# Altium PCB LaserControlBoard (top).PcbDoc (part 4 of 4)
Units mm, origin at the board's own origin, x right, y up, seen from the top; angles counter-clockwise.
Board outline 192.5 x 156.5 mm, 2 copper layers (Top Layer, Bottom Layer); 325 components, 313 nets, 1128 pads, 1616 vias.
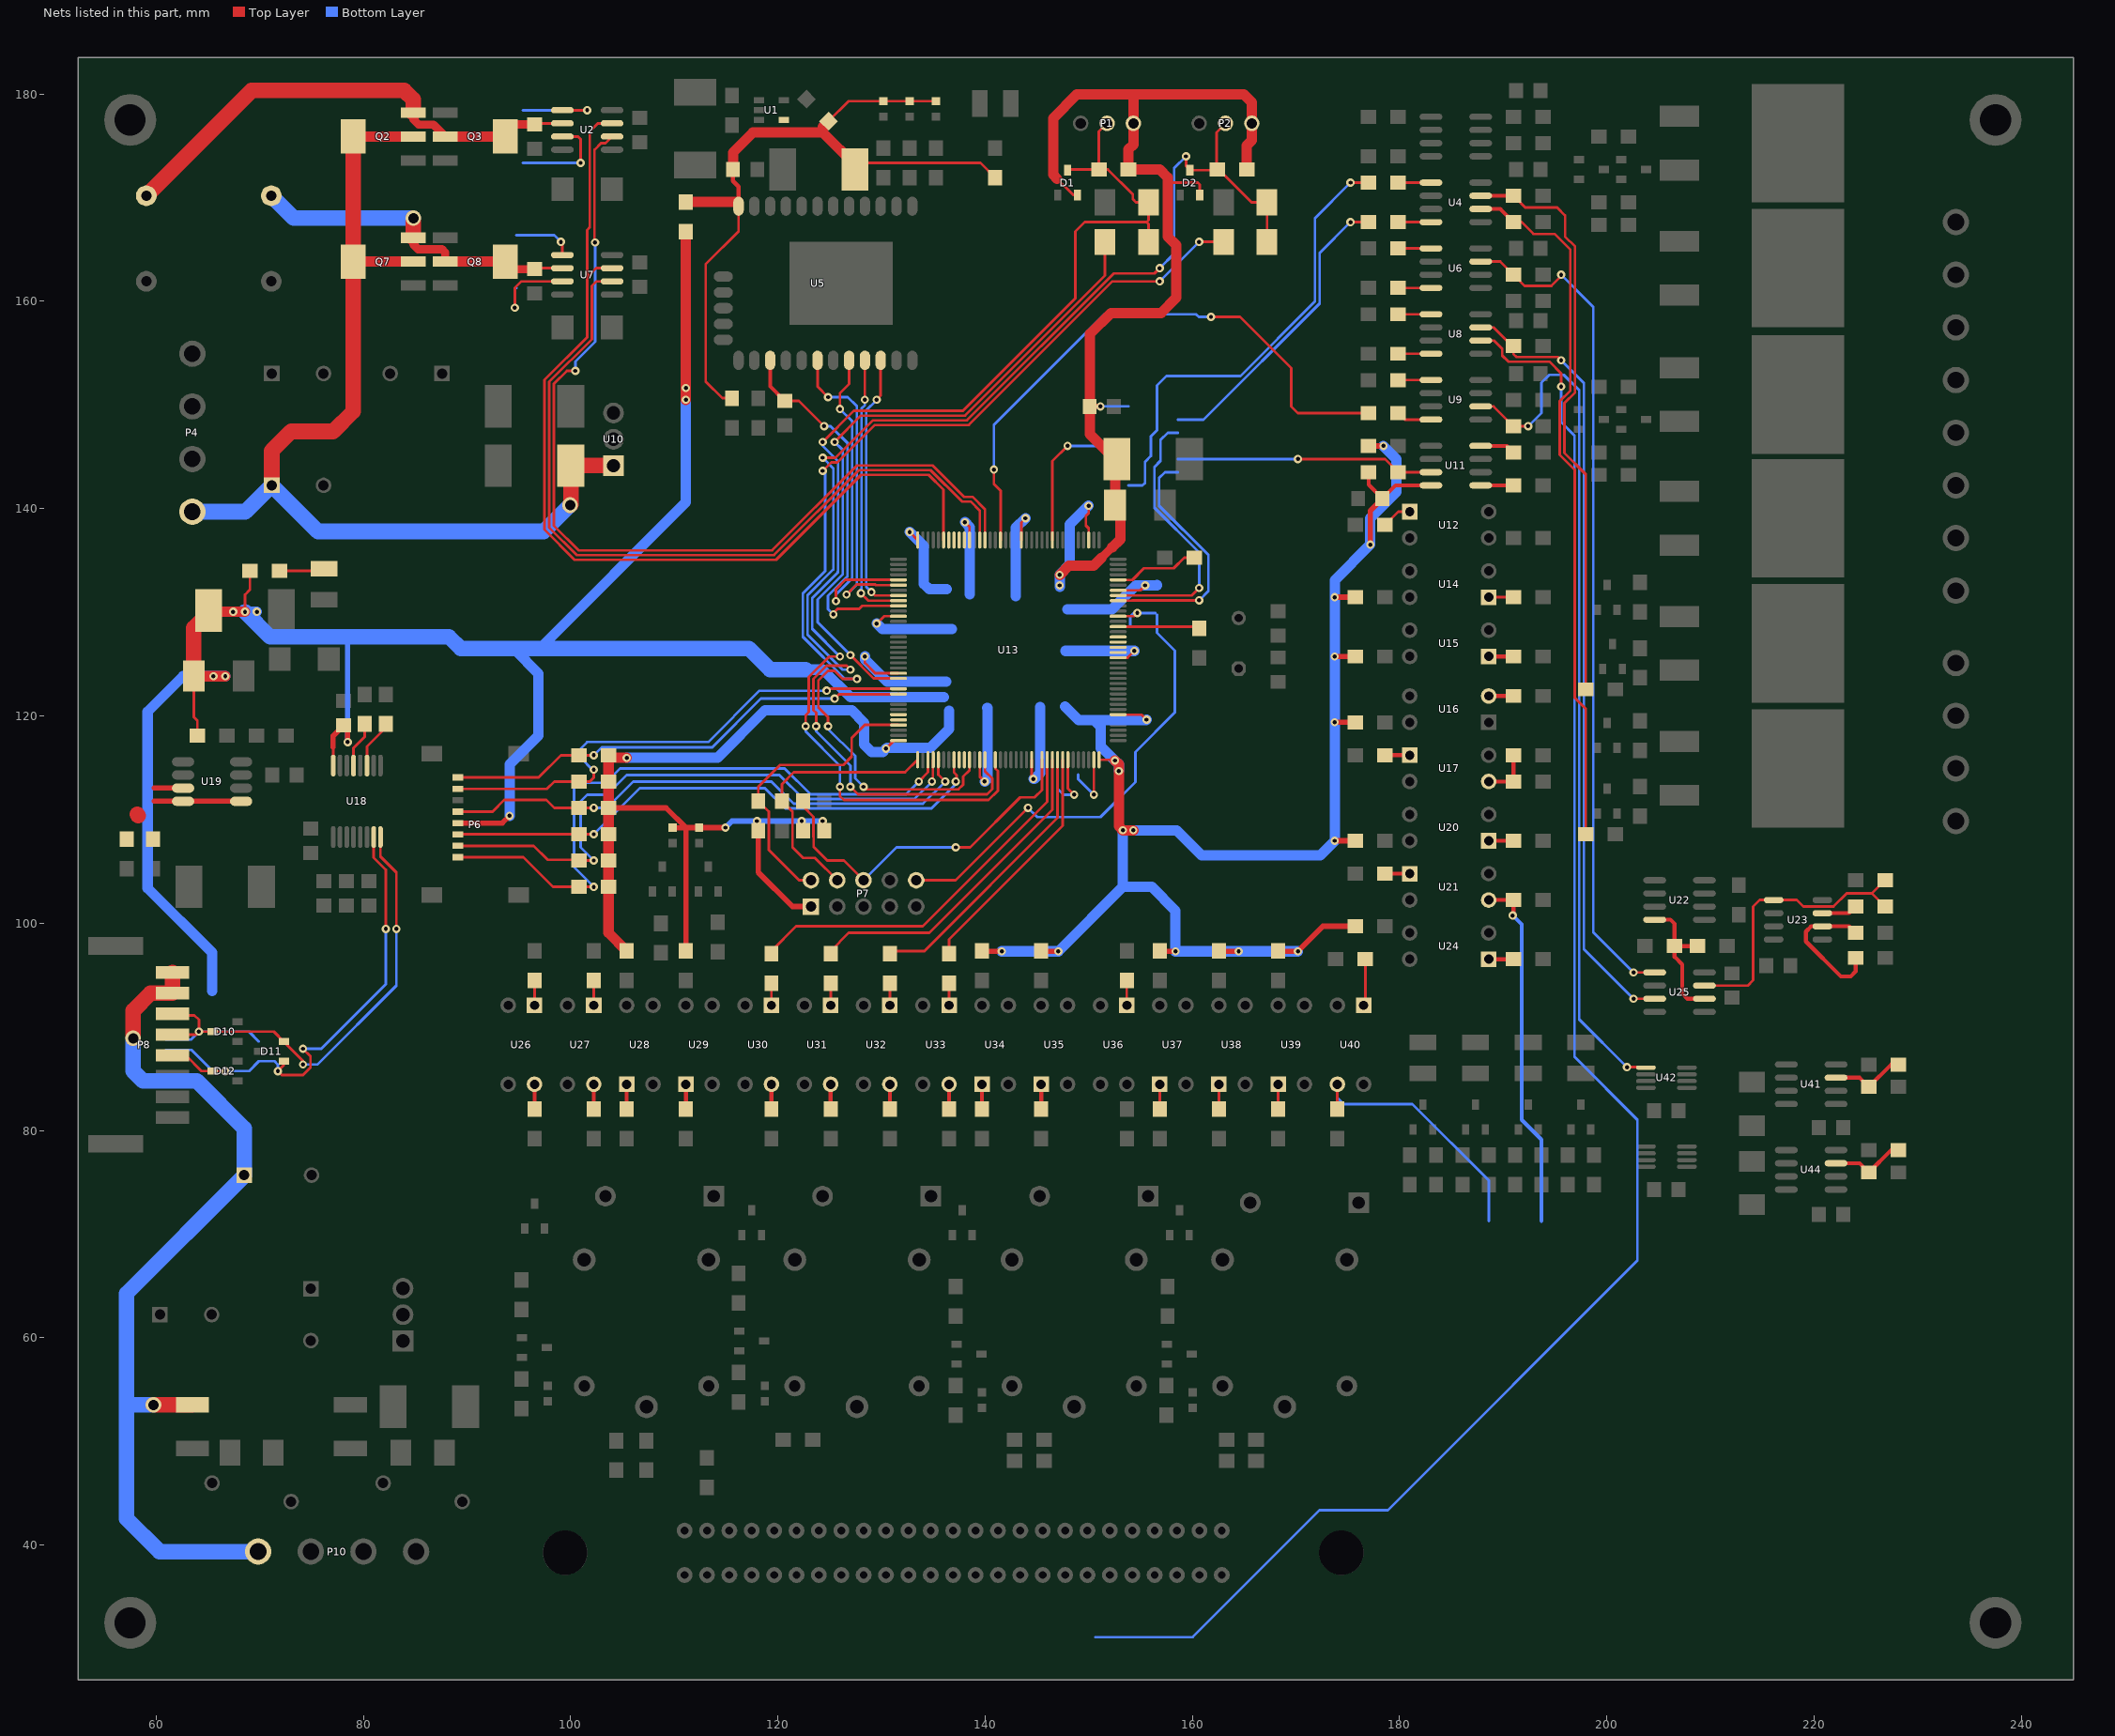
[diagram p4: the nets of this part, all layers, seen from the top]

## Via types
v1: diameter 0.8, hole 0.4, Top Layer to Bottom Layer, tented both sides, 1606 vias
v2: diameter 1.5, hole 1, Top Layer to Bottom Layer, 6 vias
v3: diameter 3, hole 2, Top Layer to Bottom Layer, 2 vias
v4: diameter 0.8, hole 0.4, Top Layer to Bottom Layer, 2 vias

## Nets (pads, with @x,y where several pads share a name; then routed paths per layer and width w, separated by ;. In a path a pad name is that pad's centre, name@x,y a point inside that pad or via, vN(x,y) a via of type N, cw(c..) or ccw(c..) an arc to the next point about the centre after c; other vN are vias at no path point) (continued)
NetR13_1: R13.1 | length 44.8
  Top Layer w0.254: v1(175.26,171.45) R13.1@177.01,171.45
  Bottom Layer w0.254: 153.81,142.24 155.194,142.24 155.429,142.475 155.429,144.5 156.002,145.073 156.002,146.971 156.591,147.56 156.591,151.878 157.494,152.781 164.632,152.781 171.831,159.98 171.831,168.021 v1(175.26,171.45)
NetR13_2: R13.2 U4.1 | length 3.2
  Top Layer w0.254: R13.2@179.86,171.45 U4.1@183.02,171.45
NetR14_1: R14.1 R49.1 U4.7 | length 56.3
  Top Layer w0.254: R14.1@190.98,170.18 192.123,169.037 195.199,169.037 195.961,168.275 195.961,166.243 196.928,165.276 196.928,151.201 195.907,150.18 195.907,145.36 197.965,143.302 R49.1@197.965,122.555
  Top Layer w0.384: U4.7@187.82,170.18 R14.1@190.98,170.18
NetR16_1: R16.1 | length 29.1
  Top Layer w0.254: v1(175.26,167.64) R16.1@177.01,167.64
  Bottom Layer w0.254: 158.61,148.59 161.083,148.59 172.285,159.792 172.285,164.665 v1(175.26,167.64)
NetR16_2: R16.2 U4.4 | length 3.2
  Top Layer w0.254: R16.2@179.86,167.64 U4.4@183.02,167.64
NetR17_1: R17.1 R69.1 U4.6 | length 68.1
  Top Layer w0.254: R17.1@190.98,167.64 191.77,167.64 192.913,166.497 194.945,166.497 196.474,164.968 196.474,151.389 195.453,150.368 195.453,145.172 196.888,143.737 196.888,121.745 197.965,120.668 R69.1@197.965,108.585
  Top Layer w0.384: U4.6@187.82,168.91 189.71,168.91 R17.1@190.98,167.64
NetR19_1: R19.1 U6.1 | length 3.2
  Top Layer w0.254: R19.1@179.86,165.1 U6.1@183.02,165.1
NetR20_1: R20.1 U6.7 U25.1 | length 81.5
  Top Layer w0.254: U6.7@187.82,163.83 189.71,163.83 R20.1@190.98,162.56 192.05,161.49 194.647,161.49 195.58,162.423 v1(195.58,162.56) ; v1(202.565,95.25) U25.1@204.61,95.25
  Bottom Layer w0.254: v1(195.58,162.56) 198.685,159.455 198.685,99.13 v1(202.565,95.25)
NetR21_1: R21.1 U6.4 | length 3.2
  Top Layer w0.254: R21.1@179.86,161.29 U6.4@183.02,161.29
NetR23_1: R23.1 U8.1 | length 3.2
  Top Layer w0.254: R23.1@179.86,158.75 U8.1@183.02,158.75
NetR24_1: R24.1 U8.7 U25.3 | length 76
  Top Layer w0.254: U8.7@187.82,157.48 189.075,157.48 190.98,155.575 190.98,154.914 191.262,154.632 195.253,154.632 v1(195.58,154.305) ; v1(202.565,92.71) U25.3@204.61,92.71
  Bottom Layer w0.254: v1(195.58,154.305) 197.777,152.108 197.777,97.498 v1(202.565,92.71)
NetR25_1: R25.1 U8.4 | length 3.2
  Top Layer w0.254: R25.1@179.86,154.94 U8.4@183.02,154.94
NetR26_1: R26.1 U9.1 | length 3.2
  Top Layer w0.254: R26.1@179.86,152.4 U9.1@183.02,152.4
NetR30_1: R30.1 U9.4 | length 3.4
  Top Layer w0.254: R30.1@179.86,149.225 180.495,148.59 U9.4@183.02,148.59
NetR33_1: R33.1 U11.4 | length 3.4
  Top Layer w0.384: U11.4@187.82,146.05 190.345,146.05 R33.1@190.98,145.415
NetR35_1: R35.1 U11.7 | length 24.9
  Top Layer w0.254: v1(170.18,144.78) 178.59,144.78 R35.1@179.86,143.51 U11.7@183.02,143.51
  Bottom Layer w0.254: 158.61,144.78 v1(170.18,144.78)
NetR37_2: R37.2 U11.1 | length 3.2
  Top Layer w0.384: U11.1@187.82,142.24 R37.2@190.98,142.24
NetR38_1: R38.1 U12.1 | length 2.9
  Top Layer w0.254: R38.1@178.59,138.43 179.86,139.7 U12.1@180.975,139.7
NetR40_1: R40.1 U13.32 | length 8.2
  Top Layer w0.254: U13.32@152.84,133.115 154.204,133.115 155.328,134.239 158.196,134.239 159.212,135.255 R40.1@160.175,135.255
NetR41_1: "STM PWR 1.2" R41.1 | length 3.8
  Top Layer w0.254: R41.1@71.91,133.985 75.335,133.985 75.565,134.215
NetR44_1: R44.1 U14.1 | length 2.4
  Top Layer w0.254: U14.1@188.595,131.445 R44.1@190.98,131.445
NetR45_1: R45.1 U13.23 | length 8
  Top Layer w0.254: U13.23@152.84,128.615 152.863,128.592 160.655,128.592 R45.1@160.655,128.425
NetR48_1: R48.1 U15.1 | length 2.4
  Top Layer w0.384: U15.1@188.595,125.73 R48.1@190.98,125.73
NetR50_2: R50.2 U18.13 | length 4.5
  Top Layer w0.254: U18.13@79.05,115.21 79.05,116.896 80.137,117.983 R50.2@80.137,119.225
NetR51_1: R51.1 U18.11 | length 4.8
  Top Layer w0.254: U18.11@80.35,115.21 80.35,117.053 82.169,118.872 R51.1@82.169,119.225
NetR52_2: R52.2 U16.2 | length 2.4
  Top Layer w0.384: U16.2@188.595,121.92 R52.2@190.98,121.92
NetR58_1: R58.1 U17.1 | length 2.4
  Top Layer w0.384: R58.1@178.59,116.205 U17.1@180.975,116.205
NetR59_2: R59.2 R61.2 U17.3 | length 4.9
  Top Layer w0.384: U17.3@188.595,113.665 R61.2@190.98,113.665 R59.2@190.98,116.205
NetR70_1: R70.1 R71.1 U19.1 U19.7 U19.8 | length 11.4
  Top Layer w0.5: 59.817,111.76 U19.8@62.605,111.76 U19.1@68.205,111.76 ; 59.817,113.03 U19.7@62.605,113.03
  Top Layer w1.5: 58.166,110.49 58.293,110.363
NetR73_1: R73.1 U20.1 | length 2.4
  Top Layer w0.384: U20.1@188.595,107.95 R73.1@190.98,107.95
NetR75_1: R75.1 U21.1 | length 2.4
  Top Layer w0.384: R75.1@178.59,104.775 U21.1@180.975,104.775
NetR76_1: R76.1 R82.2 U23.5 U25.7 | length 28.1
  Top Layer w0.254: U25.7@209.41,93.98 213.614,93.98 214.122,94.488 214.122,101.6 214.757,102.235 U23.5@216.09,102.235 218.313,102.235 218.948,101.6 221.869,101.6 223.139,102.87 225.58,102.87 ; R82.2@226.85,101.6 225.58,102.87 ; R76.1@226.85,104.14 225.58,102.87
NetR81_2: R81.2 U21.3 | length 34.6
  Top Layer w0.384: U21.3@188.595,102.235 R81.2@190.98,102.235 190.98,100.739 v1(190.909,100.739)
  Bottom Layer w0.384: v1(190.909,100.739) 191.77,99.878 191.77,81.026 193.675,79.121 193.675,71.275
NetR82_1: R82.1 U23.3 | length 3.5
  Top Layer w0.384: U23.3@220.79,100.965 223.365,100.965 R82.1@224,101.6
NetR84_2: R84.2 R101.2 U23.2 | length 13.9
  Top Layer w0.384: R101.2@224,96.647 224,95.349 223.52,94.869 222.568,94.869 219.202,98.235 219.202,99.187 219.71,99.695 U23.2@220.79,99.695 223.365,99.695 R84.2@224,99.06
NetR87_1: R87.1 U26.1 | length 2.4
  Top Layer w0.254: U26.1@96.519,92.075 R87.1@96.519,94.46
NetR88_1: R88.1 U27.1 | length 2.4
  Top Layer w0.254: U27.1@102.235,92.075 R88.1@102.235,94.46
NetR91_1: R91.1 U30.1 | length 2.4
  Top Layer w0.254: U30.1@119.379,92.075 R91.1@119.379,94.46
NetR92_1: R92.1 U31.1 | length 2.4
  Top Layer w0.254: U31.1@125.094,92.075 R92.1@125.094,94.46
NetR93_1: R93.1 U32.1 | length 2.4
  Top Layer w0.254: U32.1@130.809,92.075 R93.1@130.809,94.46
NetR94_1: R94.1 U33.1 | length 2.4
  Top Layer w0.254: U33.1@136.524,92.075 R94.1@136.524,94.46
NetR97_1: R97.1 U36.1 | length 2.4
  Top Layer w0.254: U36.1@153.67,92.075 R97.1@153.67,94.46
NetR102_1: R102.1 U40.1 | length 4.5
  Top Layer w0.254: U40.1@176.53,92.075 176.685,92.23 R102.1@176.685,96.52
NetR103_1: R103.1 U24.1 | length 2.4
  Top Layer w0.381: U24.1@188.595,96.52 R103.1@190.98,96.52
NetR104_1: R104.1 R105.2 U41.3 | length 7.3
  Top Layer w0.384: U41.3@222.11,85.09 224.381,85.09 R105.2@225.27,84.201 227.429,86.36 R104.1@228.12,86.36
NetR106_1: R106.1 U26.4 | length 2.4
  Top Layer w0.384: R106.1@96.519,82.07 U26.4@96.519,84.455
NetR107_1: R107.1 U27.4 | length 2.4
  Top Layer w0.384: R107.1@102.235,82.07 U27.4@102.235,84.455
NetR108_1: R108.1 U28.1 | length 2.4
  Top Layer w0.384: R108.1@105.409,82.07 U28.1@105.409,84.455
NetR109_1: R109.1 U29.1 | length 2.4
  Top Layer w0.384: R109.1@111.125,82.07 U29.1@111.125,84.455
NetR110_1: R110.1 U30.4 | length 2.4
  Top Layer w0.384: R110.1@119.379,82.07 U30.4@119.379,84.455
NetR111_1: R111.1 U31.4 | length 2.4
  Top Layer w0.384: R111.1@125.094,82.07 U31.4@125.094,84.455
NetR112_1: R112.1 U32.4 | length 2.4
  Top Layer w0.384: R112.1@130.809,82.07 U32.4@130.809,84.455
NetR113_1: R113.1 U33.4 | length 2.4
  Top Layer w0.384: R113.1@136.524,82.07 U33.4@136.524,84.455
NetR114_1: R114.1 U34.1 | length 2.4
  Top Layer w0.384: R114.1@139.7,82.07 U34.1@139.7,84.455
NetR115_1: R115.1 U35.1 | length 2.4
  Top Layer w0.384: R115.1@145.415,82.07 U35.1@145.415,84.455
NetR117_1: R117.1 U37.1 | length 2.4
  Top Layer w0.254: R117.1@156.845,82.07 U37.1@156.845,84.455
NetR118_1: R118.1 U38.1 | length 2.4
  Top Layer w0.254: R118.1@162.56,82.07 U38.1@162.56,84.455
NetR119_1: R119.1 U39.1 | length 2.4
  Top Layer w0.254: R119.1@168.275,82.07 U39.1@168.275,84.455
NetR120_2: R120.2 U40.3 | length 25.5
  Top Layer w0.254: R120.2@173.99,82.07 U40.3@173.99,84.455
  Bottom Layer w0.254: U40.3@173.99,84.455 173.99,83.185 174.625,82.55 181.229,82.55 188.595,75.184 188.595,71.275
NetR121_1: R121.1 R130.1 U44.3 | length 7.3
  Top Layer w0.384: U44.3@222.11,76.835 224.381,76.835 R130.1@225.27,75.946 227.429,78.105 R121.1@228.12,78.105
NetR147_1: U2.5 | length 8.6
  Top Layer w0.254: U2.5@99.2,178.435 v1(101.6,178.435)
  Bottom Layer w0.254: 95.405,178.435 v1(101.6,178.435)
NetR148_1: U2.7 | length 9.7
  Top Layer w0.254: U2.7@99.2,175.895 100.711,175.895 100.965,175.641 v1(100.965,173.355)
  Bottom Layer w0.254: 95.405,173.355 v1(100.965,173.355)
NetR149_2: U7.5 | length 5.9
  Top Layer w0.254: v1(99.06,165.735) 99.2,165.595 U7.5@99.2,164.465
  Bottom Layer w0.254: 94.77,166.37 98.425,166.37 v1(99.06,165.735)
NetR150_2: U7.7 | length 8.7
  Top Layer w0.254: v1(94.615,159.385) 94.615,161.29 95.25,161.925 U7.7@99.2,161.925
  Bottom Layer w0.254: v1(94.615,159.385) 94.615,161.135 94.77,161.29
NetR152_2: U13.143 | length 5.9
  Top Layer w0.254: U13.143@150.49,115.765 150.49,112.4 v1(150.495,112.395)
  Bottom Layer w0.254: 148.99,114.34 148.99,113.9 v1(150.495,112.395)
NetR153_2: U13.138 | length 6.8
  Top Layer w0.254: U13.138@147.99,115.765 147.99,112.995 v1(148.59,112.395)
  Bottom Layer w0.254: 146.99,114.34 146.99,112.979 147.574,112.395 v1(148.59,112.395)
NetR157_1: U8.6 | length 165.4
  Top Layer w0.254: U8.6@187.82,156.21 189.103,156.21 189.903,155.41 189.903,154.765 190.49,154.178 194.437,154.178 195.58,153.035 v1(195.58,151.765)
  Bottom Layer w0.254: 150.65,31.115 160.02,31.115 172.257,43.352 178.856,43.352 202.946,67.442 202.946,81.026 196.869,87.103 196.869,147.054 195.58,148.343 v1(195.58,151.765)
"NOT FUSED 5V": C34.1 F1.2 P8.1 P8.2 P10.1 | length 88.1
  Top Layer w1.5: v2(57.785,88.9) 57.785,91.567 59.468,93.25 P8.2@61.595,93.25 P8.1@61.595,95.25 ; v2(59.749,53.526) 59.749,53.535 F1.2@63.5,53.535
  Bottom Layer w1.5: v2(57.785,88.9) 57.785,85.725 58.745,84.765 60.96,84.765 63.952,84.765 68.505,80.212 68.505,75.617 57.15,64.262 57.15,53.594 ; v2(59.749,53.526) 57.218,53.526 57.15,53.594 ; P10.1@69.85,39.37 60.325,39.37 57.15,42.545 57.15,53.594
NRESET: P7.10 U13.25 | length 49.8
  Top Layer w0.254: P7.10@133.35,104.14 137.16,104.14 v1(144.145,111.125) ; U13.25@152.84,129.615 154.38,129.615 v1(154.686,129.921)
  Bottom Layer w0.254: v1(144.145,111.125) 145.034,110.236 151.13,110.236 154.505,113.611 154.505,114.702 154.502,114.705 154.502,116.522 158.315,120.335 158.315,126.299 156.591,128.023 156.591,129.766 ; 154.015,128.615 154.015,129.615 154.321,129.921 v1(154.686,129.921) 156.436,129.921
PELTIER: U13.46 | length 15.5
  Top Layer w0.254: U13.46@146.49,136.965 146.49,143.142 146.49,144.585 v1(147.955,146.05)
  Bottom Layer w0.254: v1(147.955,146.05) 153.81,146.05
REF2.5V: R85.2 R86.1 U22.8 U25.6 | length 13.7
  Top Layer w0.384: U22.8@204.61,100.33 206.121,100.33 206.53,99.921 R85.2@206.53,97.79 ; R86.1@208.76,97.79 R85.2@206.53,97.79 ; U25.6@209.41,92.71 207.772,92.71 207.264,93.218 207.264,96.012 206.53,96.746 R85.2@206.53,97.79
RELAY1: R91.2 U13.134 | length 36.6
  Top Layer w0.254: R91.2@119.379,97.31 121.764,99.695 133.985,99.695 145.99,111.7 U13.134@145.99,115.765
RELAY2: R92.2 U13.135 | length 31.9
  Top Layer w0.254: R92.2@125.094,97.31 126.844,99.06 134.62,99.06 146.49,110.93 U13.135@146.49,115.765
RELAY3: R93.2 U13.136 | length 27.1
  Top Layer w0.254: R93.2@130.809,97.31 134.14,97.31 146.99,110.16 U13.136@146.99,115.765
RELAY4: R94.2 U13.137 | length 23
  Top Layer w0.254: R94.2@136.524,97.31 136.524,98.424 147.49,109.39 U13.137@147.49,115.765
RS232_DWIN_RX: D10.3 D11.2 P8.3 P8.4 U18.8 | length 55
  Top Layer w0.254: P8.4@61.595,89.25 63.85,89.25 v1(64.135,89.535) ; P8.3@61.595,91.25 61.732,91.113 63.7,91.113 64.135,90.678 v1(64.135,89.535) ; v1(74.168,86.36) 74.168,86.732 D11.2@72.32,88.58 71.365,89.535 D10.3@65.475,89.535 v1(64.135,89.535) ; U18.8@81.65,108.31 81.65,106.426 83.185,104.891 v1(83.185,99.441)
  Bottom Layer w0.254: 60.96,88.765 63.365,88.765 v1(64.135,89.535) 67.875,89.535 68.965,89.535 69.92,88.58 ; v1(74.168,86.36) 75.565,86.36 83.185,93.98 v1(83.185,99.441)
RS232_DWIN_TX: D11.1 D12.3 P8.5 U18.7 | length 50.7
  Top Layer w0.254: P8.5@61.595,87.25 62.864,87.25 64.389,85.725 D12.3@65.475,85.725 v1(66.675,85.725) ; D11.1@72.32,86.68 72.32,86.29 v1(71.755,85.725) 72.136,85.344 74.18,85.344 74.895,86.059 74.895,87.157 v1(74.168,87.884) ; U18.7@81,108.31 81,106.325 82.169,105.156 v1(82.169,99.441)
  Bottom Layer w0.254: 60.96,87.765 63.435,87.765 65.475,85.725 v1(66.675,85.725) 68.965,85.725 69.92,86.68 71.435,86.68 71.755,86.36 v1(71.755,85.725) ; v1(74.168,87.884) 75.946,87.884 82.169,94.107 v1(82.169,99.441)
SDIO_CK: P6.4 R67.1 U13.113 | length 53
  Top Layer w0.254: P6.4@89.126,110.762 92.474,110.762 93.599,111.887 97.663,111.887 98.425,111.125 R67.1@100.81,111.125 v1(102.235,111.125) ; U13.113@135.513,115.742 U13.113@135.49,115.765 135.49,114.319 v1(136.144,113.665)
  Bottom Layer w0.254: v1(102.235,111.125) 103.505,111.125 106.045,113.665 119.38,113.665 121.523,111.522 134.001,111.522 v1(136.144,113.665)
SDIO_CMD: P6.6 R68.1 U13.116 | length 54.2
  Top Layer w0.254: P6.6@89.126,108.562 89.149,108.585 R68.1@100.81,108.585 v1(102.235,108.585) ; U13.116@136.967,115.742 U13.116@136.99,115.765 136.99,114.554 137.244,114.3 137.244,113.749 v1(137.16,113.665)
  Bottom Layer w0.254: v1(102.235,108.585) 106.68,113.03 118.745,113.03 120.707,111.068 134.817,111.068 137.16,113.411 v1(137.16,113.665)
SDIO_D0: P6.2 R60.1 U13.98 | length 50
  Top Layer w0.254: P6.2@89.126,112.962 97.722,112.962 98.425,113.665 R60.1@100.81,113.665 101.854,113.665 102.235,114.046 v1(102.235,114.808) ; v1(124.714,122.428) 124.901,122.615 U13.98@131.64,122.615
  Bottom Layer w0.254: v1(102.235,114.808) 102.108,114.808 100.965,115.951 100.965,116.84 101.6,117.475 113.284,117.475 118.237,122.428 v1(124.714,122.428)
SDIO_D1: P6.1 R57.1 U13.99 | length 45.8
  Top Layer w0.254: P6.1@89.126,114.062 96.917,114.062 99.06,116.205 R57.1@100.81,116.205 v1(102.235,116.205) ; v1(125.476,121.666) 125.902,122.092 131.617,122.092 U13.99@131.64,122.115
  Bottom Layer w0.254: v1(102.235,116.205) 102.997,116.967 113.665,116.967 118.364,121.666 v1(125.476,121.666)
SDIO_D2: P6.8 R78.1 U13.111 | length 62.7
  Top Layer w0.254: P6.8@89.126,106.362 95.441,106.362 98.298,103.505 R78.1@100.81,103.505 v1(102.235,103.505) ; v1(133.604,113.665) 134.49,114.551 U13.111@134.49,115.765
  Bottom Layer w0.254: v1(102.235,103.505) 100.33,105.41 100.33,113.03 100.838,113.538 103.378,113.538 104.775,114.935 120.65,114.935 123.155,112.43 132.369,112.43 v1(133.604,113.665)
SDIO_D3: P6.7 R74.1 U13.112 | length 58.7
  Top Layer w0.254: P6.7@89.126,107.462 96.441,107.462 97.79,106.113 100.742,106.113 R74.1@100.81,106.045 v1(102.235,106.045) ; v1(134.874,113.665) 134.967,113.758 134.967,115.742 U13.112@134.99,115.765
  Bottom Layer w0.254: v1(102.235,106.045) 100.965,107.315 100.965,111.76 101.604,112.399 103.509,112.399 105.41,114.3 120.142,114.3 122.466,111.976 133.185,111.976 v1(134.874,113.665)
SPI2_MISO: U13.28 | length 24
  Top Layer w0.254: U13.28@152.84,131.115 154.139,131.115 154.176,131.152 v1(160.655,131.152)
  Bottom Layer w0.254: 158.61,143.51 157.353,143.51 156.791,142.948 156.791,140.269 161.544,135.516 161.544,132.041 v1(160.655,131.152)
SPI2_MOSI: U13.29 | length 26.4
  Top Layer w0.254: U13.29@152.84,131.615 159.936,131.615 v1(160.655,132.334)
  Bottom Layer w0.254: 158.61,147.32 157.635,147.32 156.929,146.613 156.929,144.61 156.337,144.018 156.337,140.081 160.655,135.763 v1(160.655,132.334)
SPK_OUT1: C4.2 L2.1 Q2.3 Q3.2 Q3.4 U2.6 | length 48.5
  Top Layer w0.254: C4.2@96.52,177.07 96.615,177.165 U2.6@99.2,177.165
  Top Layer w0.5: Q3.4@93.705,175.895 93.705,177.07 Q3.4@94.742,177.07
  Top Layer w0.8: Q2.3@84.815,178.195 84.815,177.567 85.344,177.038 86.762,177.038 Q3.2@87.905,175.895 ; Q3.4@94.742,177.07 C4.2@96.52,177.07
  Top Layer w1: Q3.2@87.905,175.895 Q3.4@93.705,175.895
  Top Layer w1.5: L2.1@59.055,170.18 69.215,180.34 83.947,180.34 84.815,179.472 Q2.3@84.815,178.195
SPK_OUT2: C10.2 L3.1 Q7.3 Q8.2 Q8.4 U7.6 | length 33.1
  Top Layer w0.254: C10.2@96.52,163.1 96.615,163.195 U7.6@99.2,163.195
  Top Layer w0.8: Q7.3@84.815,166.13 84.815,165.502 85.287,165.03 87.573,165.03 87.905,164.698 Q8.2@87.905,163.83 ; Q8.4@93.705,163.83 94.435,163.1 C10.2@96.52,163.1
  Top Layer w1: Q8.2@87.905,163.83 Q8.4@93.705,163.83
  Top Layer w1.5: Q7.3@84.815,166.13 84.815,168 v2(84.836,168.021)
  Bottom Layer w1.5: L3.1@71.12,170.18 73.279,168.021 v2(84.836,168.021)
SWCLK: P7.4 R64.2 U13.109 | length 26.2
  Top Layer w0.254: P7.4@125.73,104.14 123.571,106.299 122.428,106.299 121.412,107.315 121.412,110.772 R64.2@120.396,111.788 120.396,113.411 121.539,114.554 132.279,114.554 U13.109@133.49,115.765
SWDIO: P7.2 R63.2 U13.105 | length 28.8
  Top Layer w0.254: P7.2@123.19,104.14 122.047,104.14 119.126,107.061 119.126,110.772 R63.2@118.11,111.788 118.11,113.157 120.22,115.267 126.316,115.267 127.127,116.078 127.127,117.863 128.39,119.126 131.629,119.126 U13.105@131.64,119.115
SWO: P7.6 R65.2 U13.133 | length 34.2
  Top Layer w0.254: R65.2@122.428,111.28 123.444,110.264 123.444,108.331 123.458,108.317 123.458,107.353 124.766,106.045 126.365,106.045 P7.6@128.27,104.14 ; v1(137.16,107.315) 138.557,107.315 143.383,112.141 144.78,112.141 145.49,112.851 U13.133@145.49,115.765
  Bottom Layer w0.254: P7.6@128.27,104.14 131.445,107.315 v1(137.16,107.315)
TIM1_CH1: U7.2 U13.60 | length 77.7
  Top Layer w0.254: U7.2@104,161.925 102.489,161.925 102.041,161.477 102.041,156.335 97.939,152.233 97.939,138.154 100.576,135.517 119.642,135.517 127.835,143.71 134.735,143.71 137.764,140.681 138.604,140.681 139.49,139.795 U13.60@139.49,136.965
TIM1_CH1N: U2.2 U13.59 | length 91.3
  Top Layer w0.254: v4(100.457,153.289) 99.637,153.289 98.393,152.045 98.393,138.342 100.764,135.971 119.454,135.971 127.647,144.164 134.923,144.164 137.952,141.135 138.792,141.135 139.99,139.937 U13.59@139.99,136.965 ; v4(102.362,165.681) 102.308,165.735 102.308,174.62 102.94,175.252 103.357,175.252 U2.2@104,175.895
  Bottom Layer w0.254: v4(100.457,153.289) 100.457,154.178 102.362,156.083 v4(102.362,165.681)
TIM1_CH2: U13.64
TIM1_CH2N: U13.63
TIM1_CH3: U13.66